# Allegro board SG2042_EVB_V2_0.brd (continued)
## Routing (per net, layer and track width the routed paths; a pad name or vN(x,y) marks a point on that pad's centre or on a via; arc(x,y) is an arc through that point) (continued)
N17204730: length 146.4
  TOP w0.102: U1.G30 v1(118.75,243.05) ; R163.1 v1(230.1,276.89)
  ART14 w0.102: v1(118.75,243.05) 118.37,243.43 118.37,250.27 162.41,294.31 185.5,294.31 186.06,293.75 189.99,293.75 v1(190.6,293.14)
  BOTTOM w0.102: v1(190.6,293.14) 190.89,293.14 193.53,290.5 217.42,290.5 228.04,279.87 228.04,278.94 v1(230.1,276.89)
N17204740: length 155.4
  TOP w0.102: U1.H30 v1(118.75,242.05) ; R172.1 v1(230.1,267.89)
  ART14 w0.102: v1(118.75,242.05) 119.13,242.43 119.13,250.32 162.92,294.11 185.41,294.11 185.97,293.55 189.66,293.55 190.6,292.6 v1(190.6,292.02)
  BOTTOM w0.102: v1(230.1,267.89) 227.43,270.56 227.43,279.62 217.16,289.89 193.27,289.89 191.14,292.02 v1(190.6,292.02)
N17204750: length 149.1
  TOP w0.102: 230.1,274.19 v1(230.1,274.8) ; U1.J30 v1(118.75,241.05)
  ART14 w0.102: v1(189.48,293.14) 189.28,293.34 185.89,293.34 185.33,293.9 163.01,293.9 119.37,250.27 119.37,241.67 v1(118.75,241.05)
  BOTTOM w0.102: v1(189.48,293.14) 189.94,292.68 191.06,292.68 193.44,290.3 217.33,290.3 227.84,279.79 227.84,277.06 v1(230.1,274.8)
N17204820: length 109.7
  TOP w0.102: U1.F22 v1(109.75,244.05) ; R174.1 v1(48.08,264.03)
  ART14 w0.102: v1(48.08,264.03) 47.29,264.82 47.29,272.54 48.51,273.76 48.51,274.4 46.56,276.36 46.56,285.31 48.63,287.38 72.31,287.38 109.37,250.32 109.37,244.43 v1(109.75,244.05)
N17204830: length 101.8
  TOP w0.102: U1.H23 v1(110.75,242.05) ; R184.1 v1(48.08,274.19)
  ART14 w0.102: v1(110.75,242.05) 110.13,242.67 110.13,250.27 72.82,287.58 48.54,287.58 46.35,285.39 46.35,275.92 v1(48.08,274.19)
N17204840: length 103
  TOP w0.102: U1.E21 v1(108.75,245.05) ; R185.1 v1(48.08,268.1)
  ART14 w0.102: v1(48.08,268.1) 48.61,268.62 48.61,270.17 47.7,271.08 47.7,272.37 48.92,273.59 48.92,274.57 46.96,276.53 46.96,285.14 48.79,286.97 71.72,286.97 108.37,250.32 108.37,245.43 v1(108.75,245.05)
N17204850: length 96.8
  TOP w0.102: R188.1 v1(48.69,271.55) ; U1.H19 v1(106.75,242.05)
  ART14 w0.102: v1(106.75,242.05) 107.13,242.43 107.13,246.26 106.63,246.76 106.63,250.77 71.24,286.16 50.78,286.16 49.17,284.55 49.17,276.71 49.73,276.15 49.73,272.59 v1(48.69,271.55)
N17204860: length 102.9
  TOP w0.102: R190.1 v1(48.69,265.46) ; U1.D20 v1(107.75,246.05)
  ART14 w0.102: v1(48.69,265.46) 49.02,265.78 49.02,270.34 48.11,271.25 48.11,272.2 49.33,273.42 49.33,274.74 47.37,276.7 47.37,284.97 48.96,286.56 71.45,286.56 107.37,250.65 107.37,246.76 107.75,246.38 v1(107.75,246.05)
N17204870: length 100.8
  TOP w0.102: U1.D21 v1(108.75,246.05) ; R191.1 v1(48.08,270.13)
  ART14 w0.102: v1(48.08,270.13) 47.5,270.71 47.5,272.46 48.72,273.68 48.72,274.49 46.76,276.44 46.76,285.22 48.71,287.17 72.22,287.17 109.13,250.27 109.13,246.43 v1(108.75,246.05)
N17216212: length 3
  TOP w0.081: U17.1 111.41,107.66 arc(111.49,107.67) 111.56,107.72 111.57,107.73 arc(111.63,107.77) 111.71,107.79 111.89,107.79 arc(112.04,107.76) 112.16,107.67 112.56,107.28 arc(112.79,107.12) 113.06,107.07 113.11,107.07 arc(113.26,107.04) 113.39,106.95 R266.1
N17216233: length 3
  TOP w0.081: R267.1 113.39,107.42 arc(113.26,107.34) 113.11,107.3 113.06,107.3 arc(112.88,107.34) 112.72,107.44 112.33,107.84 arc(112.13,107.98) 111.89,108.02 111.71,108.02 arc(111.63,108.04) 111.57,108.08 111.56,108.09 arc(111.49,108.14) 111.41,108.16 U17.2
N17216252: length 2.8
  TOP w0.081: U17.4 111.41,109.16 arc(111.49,109.17) 111.56,109.22 111.57,109.23 arc(111.64,109.27) 111.71,109.29 112.2,109.29 arc(112.27,109.28) 112.32,109.24 112.39,109.17 arc(112.52,109.08) 112.68,109.05 113.11,109.05 arc(113.26,109.02) 113.39,108.93 R268.1
N17216271: length 2.8
  TOP w0.081: R269.1 113.39,109.41 arc(113.26,109.32) 113.11,109.29 112.68,109.29 arc(112.61,109.3) 112.56,109.34 112.49,109.4 arc(112.36,109.49) 112.2,109.52 111.72,109.52 arc(111.64,109.54) 111.57,109.58 111.56,109.59 arc(111.49,109.64) 111.41,109.66 U17.5
N17216290: length 2.8
  TOP w0.081: R270.1 113.39,110.91 arc(113.26,111) 113.11,111.03 112.68,111.03 arc(112.61,111.02) 112.55,110.98 112.48,110.91 arc(112.35,110.82) 112.2,110.79 111.71,110.79 arc(111.63,110.77) 111.57,110.73 111.56,110.72 arc(111.49,110.67) 111.41,110.66 U17.7
N17216309: length 2.8
  TOP w0.081: U17.8 111.41,111.16 arc(111.49,111.14) 111.56,111.09 111.57,111.08 arc(111.63,111.04) 111.71,111.02 112.2,111.02 arc(112.26,111.04) 112.32,111.07 112.39,111.14 arc(112.52,111.24) 112.68,111.27 113.11,111.27 arc(113.26,111.3) 113.39,111.39 R271.1
N17216384: length 2.8
  TOP w0.081: R280.1 102.86,108.93 arc(102.99,109.02) 103.15,109.05 103.58,109.05 arc(103.73,109.08) 103.86,109.17 103.93,109.24 arc(103.99,109.28) 104.05,109.29 104.54,109.29 arc(104.62,109.27) 104.69,109.23 104.7,109.22 arc(104.77,109.17) 104.85,109.16 U17.27
N17216403: length 2.8
  TOP w0.081: R281.1 102.86,109.41 arc(102.99,109.32) 103.15,109.29 103.58,109.29 arc(103.64,109.3) 103.7,109.34 103.77,109.4 arc(103.9,109.49) 104.05,109.52 104.54,109.52 arc(104.62,109.54) 104.69,109.58 104.7,109.59 arc(104.77,109.64) 104.85,109.66 U17.26
N17216422: length 3
  TOP w0.081: U17.30 104.85,107.66 arc(104.77,107.67) 104.7,107.72 104.69,107.73 arc(104.62,107.77) 104.54,107.79 104.37,107.79 arc(104.22,107.76) 104.09,107.67 103.7,107.28 arc(103.47,107.12) 103.2,107.07 103.15,107.07 arc(102.99,107.04) 102.86,106.95 R282.1
N17216441: length 3
  TOP w0.081: R283.1 102.86,107.42 arc(102.99,107.34) 103.15,107.3 103.2,107.3 arc(103.38,107.34) 103.53,107.44 103.93,107.84 arc(104.13,107.98) 104.37,108.02 104.54,108.02 arc(104.62,108.04) 104.69,108.08 104.7,108.09 arc(104.77,108.14) 104.85,108.16 U17.29
N17216464: length 2.8
  TOP w0.081: R284.1 102.86,110.91 arc(102.99,111) 103.15,111.03 103.57,111.03 arc(103.64,111.02) 103.7,110.98 103.77,110.91 arc(103.9,110.82) 104.06,110.79 104.54,110.79 arc(104.62,110.77) 104.69,110.73 104.7,110.72 arc(104.77,110.67) 104.85,110.66 U17.24
N17216485: length 2.8
  TOP w0.081: R285.1 102.86,111.39 arc(102.99,111.3) 103.15,111.27 103.57,111.27 arc(103.73,111.24) 103.87,111.14 103.94,111.07 arc(103.99,111.04) 104.06,111.02 104.54,111.02 arc(104.62,111.04) 104.69,111.08 104.7,111.09 arc(104.77,111.14) 104.85,111.16 U17.23
N17217320: length 2
  TOP w0.102: Y2.1 103.17,98.46 R276.1
N17217322: length 1.7
  TOP w0.102: R277.2 108.41,104.52 Y2.4
N17217329: length 1.7
  TOP w0.102: Y2.5 R278.2
N17232456: length 1.1
  TOP w0.254: R353.1 226.76,256.4 U31.4
N17232458: length 0.9
  TOP w0.254: R353.2 C1233.2
N17232516: length 2.3
  TOP w0.254: U31.2 224.05,256.9 ; 223.8,255.88 224.33,255.35 C1233.1
N17232566: length 2.7
  TOP w0.254: R357.1 C1234.2 ; R357.1 R2189.2 ; R357.1 227.03,258.24 R2188.2
N17232598: length 1
  TOP w0.254: U31.6 226.99,257.4 R2188.1
N17235218: length 1.1
  TOP w0.254: R339.1 127.26,151.95 U28.4
N17235220: length 0.9
  TOP w0.254: R339.2 C1215.2
N17235288: length 2.3
  TOP w0.254: 126.75,154.91 126.21,154.38 C1215.1 ; U28.2 127.76,154.66
N17235374: length 2.7
  TOP w0.254: R2187.2 R344.1 ; R344.1 C1220.2 ; R344.1 129.11,151.69 R2186.2
N17248882: length 2.4
  TOP w0.102: R12572.2 163.19,41.94 J2030.42
N17248908: length 2.5
  TOP w0.102: J2030.40 162.83,41.44 R12573.2
N17250266: length 1.1
  TOP w0.102: R12574.1 LED502.C
N17250268: length 8.2
  TOP w0.102: J2030.10 160.4,33.94 160.29,33.83 160.29,28.86 R12574.2
N17284260: length 1.1
  TOP w0.254: U19.4 121.06,157.41 R306.1
N17284262: length 0.9
  TOP w0.254: R306.2 C1169.2
N17284332: length 2.3
  TOP w0.254: U19.2 121.56,160.12 ; 120.55,160.38 120.02,159.84 C1169.1
N17284386: length 2.7
  TOP w0.254: R311.1 C1170.2 ; R311.1 122.91,157.15 R310.2 ; R311.1 R313.2
N17284418: length 1
  TOP w0.254: R310.1 122.06,157.18 U19.6
N17455755: length 3
  TOP w0.102: R470.1 C3143.1 120.8,264.28 X4.1
N17455787: length 1.9
  TOP w0.102: X4.3 122.36,260.44 R471.1
N17456600: length 153.2
  TOP w0.102: v1(212.98,270.03) 212.37,269.42 207.54,269.42 200.36,276.61 200.36,279.91 198.12,282.14 193.4,282.14 188.25,287.3 161.94,287.3 129.25,254.61 U1.A41 ; R472.1 v1(207.39,233.32)
  ART14 w0.102: v1(207.39,233.32) 213.31,239.24 213.31,267.77 212.57,268.5 212.57,269.62 v1(212.98,270.03)
N17456613: length 161.3
  TOP w0.102: R473.1 v1(208.25,233.32) ; U1.J38 v1(126.75,241.05)
  ART14 w0.102: v1(208.25,233.32) 213.51,238.58 213.51,267.85 212.98,268.38 v1(212.98,269.01)
  BOTTOM w0.102: v1(212.98,269.01) 212.57,269.42 207.82,269.42 200.66,276.58 200.66,281.64 199.12,283.18 188.9,283.18 183.84,288.24 165.05,288.24 127.13,250.32 127.13,241.43 v1(126.75,241.05)
N17456626: length 156.1
  TOP w0.102: U1.F41 v1(129.75,244.05) ; R474.1 v1(209.12,233.32)
  ART14 w0.102: v1(213.54,268.45) 213.72,268.27 213.72,237.92 v1(209.12,233.32)
  BOTTOM w0.102: v1(213.54,268.45) 207.86,268.45 206.57,269.75 203.35,269.75 199.44,273.66 199.44,281.14 198.61,281.97 188.39,281.97 183.34,287.02 166.52,287.02 129.77,250.27 129.77,248.75 130.25,248.26 130.25,244.55 v1(129.75,244.05)
N17456639: length 163.6
  TOP w0.102: U1.H38 v1(126.75,242.05) ; R475.1 v1(209.98,233.32)
  ART14 w0.102: v1(213.54,269.01) 213.92,268.63 213.92,237.26 v1(209.98,233.32)
  BOTTOM w0.102: v1(213.54,269.01) 212.93,269.62 209.02,269.62 201.07,277.57 201.07,281.81 199.29,283.59 189.07,283.59 184.01,288.65 182.97,288.65 180.11,291.5 167.3,291.5 126.13,250.33 126.13,242.67 v1(126.75,242.05)
N17507585: length 4.9
  TOP w0.254: J1.146 183.75,281.89 arc(183.9,281.67) 183.95,281.41 C3323.1 R490.1 R489.1
N17508768: length 14.4
  TOP w0.254: J2.146 173.58,282.66 arc(174.5,282.04) 175.59,281.82 176.51,281.82 arc(177.04,281.72) 177.49,281.42 177.58,281.33 arc(177.97,281.07) 178.44,280.98 178.49,280.98 arc(178.95,280.88) 179.34,280.62 179.48,280.48 arc(179.88,280.22) 180.34,280.12 180.39,280.12 arc(180.85,280.03) 181.24,279.77 181.33,279.68 arc(181.78,279.38) 182.31,279.28 183.49,279.28 arc(183.65,279.24) 183.79,279.15 C3324.1 R492.1 R491.1
N17509318: length 9.7
  TOP w0.254: J3.146 55.09,283.53 arc(54.56,283.42) 54.11,283.12 54.02,283.03 arc(53.63,282.77) 53.16,282.68 53.11,282.68 arc(52.65,282.58) 52.26,282.32 52.17,282.23 arc(51.72,281.93) 51.19,281.82 50.81,281.82 arc(50.34,281.73) 49.95,281.47 C3325.1 R494.1 R493.1
N17509859: length 20.2
  TOP w0.254: J4.146 64.49,283.53 arc(63.96,283.42) 63.5,283.12 63.41,283.03 arc(63.02,282.77) 62.56,282.68 62.51,282.68 arc(62.05,282.77) 61.66,283.03 61.48,283.21 arc(61.13,283.44) 60.71,283.52 60.66,283.52 arc(60.25,283.44) 59.9,283.21 59.77,283.08 arc(59.32,282.78) 58.79,282.68 56.99,282.68 arc(56.46,282.57) 56.01,282.27 55.92,282.18 arc(55.52,281.92) 55.06,281.82 55.01,281.82 arc(54.55,281.73) 54.16,281.47 54.02,281.33 arc(53.63,281.07) 53.16,280.98 53.11,280.98 arc(52.65,280.88) 52.26,280.62 52.13,280.49 arc(51.72,280.22) 51.25,280.12 51.2,280.12 arc(50.73,280.03) 50.32,279.76 C3326.1 R496.1 R495.1
N17811578: length 1.1
  TOP w0.102: D520.A 46.9,301.49 R588.1
N17870441: length 1.7
  TOP w0.102: U56.9 42.32,229.47 R655.2
N17870453: length 1.7
  TOP w0.102: R1305.1 43.32,229.37 U56.7
N17870502: length 1.8
  TOP w0.254: U56.6 43.82,229.24 C1533.1
N17870524: length 4.6
  TOP w0.254: U56.1 41.07,224.94 40.03,223.9 C1534.2 R659.1 R657.2
N17876519: length 2.5
  TOP w0.254: 113.78,151.18 113.84,151.12 U60.19
  TOP w0.381: 113.78,151.18 113.44,151.18 113.33,151.28 C1557.1
N17876523: length 0.9
  TOP w0.254: 112.24,152.1 C1557.2 111.81,152.53
N17876627: length 24.5
  TOP w0.254: v1(109.47,147.9) C1562.2 110.11,147.88 R2183.2
  ART14 w0.203: v1(109.47,147.9) 110.82,147.9 111.61,147.12 113,147.12 113.77,147.88 113.77,151.16 111.51,153.42 111.51,160.76 113,162.26 113,163.02 113.31,163.32 v1(114.25,163.32)
  vias: v1(114.25,162.79) v1(114.25,162.26) v1(114.25,161.72) v1(114.78,163.32) v1(114.78,162.79) v1(114.78,162.26) v1(114.78,161.72) v1(115.32,163.32) v1(115.32,162.79) v1(115.32,162.26) v1(115.32,161.72) v1(115.85,163.32) v1(115.85,162.79) v1(115.85,162.26) v1(115.85,161.72) v1(116.38,163.32) v1(116.38,162.79) v1(116.38,162.26) v1(116.38,161.72)
N17876753: length 4.3
  TOP w0.254: R675.1 110.92,147.88 R2183.1 R677.2 112.32,147.02 112.62,147.32 112.62,147.89 112.88,148.15 U60.6
N17876759: length 0.9
  TOP w0.254: R675.2 C1562.1
N17876871: length 3
  TOP w0.102: R676.2 C3159.1 118.15,151.12 U60.16
N17876927: length 3
  TOP w0.254: U60.3 112.58,149.65 111.84,150.39 111.18,150.39 R682.2
N17876931: length 2.9
  TOP w0.254: U60.2 112.59,150.15 111.99,150.75 111.18,150.75 R680.2
N17876935: length 1.9
  TOP w0.254: U60.4 112.45,149.15 112.01,148.72 C1569.1
N18066499: length 1.8
  TOP w0.099: U805.5 12.85,160.49 12.71,160.62 12.26,160.62 R12716.2
N18066506: length 2.5
  TOP w0.102: R1141.2 C1672.1 15,156.93 U805.9
N18066514: length 1.8
  TOP w0.099: R12717.2 12.25,160.85 12.71,160.85 12.85,160.99 U805.4
N18071451: length 1.1
  TOP w0.254: U808.4 212.48,213.62 R1142.1
N18071453: length 0.9
  TOP w0.254: R1142.2 C1673.2
N18071511: length 2.3
  TOP w0.254: U808.2 212.98,216.33 ; 211.96,216.59 211.43,216.05 C1673.1
N18071533: length 2.2
  TOP w0.102: R1143.1 212.98,213.26 U808.5
N18071559: length 2.7
  TOP w0.254: R1146.2 R1145.1 ; R1145.1 C1676.2 ; R1145.1 214.33,213.36 R1144.2
N18071593: length 1
  TOP w0.254: U808.6 213.48,213.39 R1144.1
N18430898: length 121.5
  TOP w0.102: U1.C29 v1(117.75,247.05) ; R1246.2 v1(208.76,278.03)
  ART03 w0.102: v1(117.75,247.05) 117.34,247.46 117.34,250.1 123.1,255.85 128.75,255.85 162.71,289.81 166.46,289.81 169.03,292.38 180.82,292.38 183.74,289.46 189.65,289.46 193.64,285.47 204.93,285.47 207.04,283.37 207.04,279.76 v1(208.76,278.03)
N18430900: length 119.4
  TOP w0.102: R1247.2 v1(208.76,277.16) ; U1.A29 v1(117.75,249.05)
  ART03 w0.102: v1(208.76,277.16) 206.78,279.15 206.78,283.26 204.83,285.22 193.53,285.22 189.54,289.2 183.64,289.2 180.72,292.13 169.14,292.13 166.57,289.56 162.82,289.56 128.86,255.6 123.21,255.6 117.75,250.14 v1(117.75,249.05)
N18430902: length 120.7
  TOP w0.102: R1248.2 v1(208.76,276.3) ; U1.B29 v1(117.75,248.05)
  ART03 w0.102: v1(208.76,276.3) 206.53,278.54 206.53,283.16 204.72,284.96 193.43,284.96 189.44,288.95 183.53,288.95 180.61,291.87 169.24,291.87 166.68,289.31 162.93,289.31 128.97,255.35 123.31,255.35 118.13,250.17 118.13,248.43 v1(117.75,248.05)
N18430904: length 118.9
  TOP w0.102: R1249.2 v1(208.76,282.35) ; U1.A28 v1(115.75,249.05)
  ART03 w0.102: v1(115.75,249.05) 115.75,250.3 122.57,257.12 128.23,257.12 162.19,291.08 165.94,291.08 168.5,293.65 181.35,293.65 184.27,290.73 190.18,290.73 194.16,286.74 205.46,286.74 208.31,283.9 208.31,282.8 v1(208.76,282.35)
N18430906: length 122.5
  TOP w0.102: R1250.2 v1(208.76,278.89) ; U1.D29 v1(117.75,246.05)
  ART03 w0.102: v1(208.76,278.89) 207.29,280.37 207.29,283.48 205.04,285.72 193.74,285.72 189.75,289.71 183.85,289.71 180.93,292.63 168.92,292.63 166.36,290.07 162.61,290.07 128.65,256.11 123,256.11 117.06,250.18 117.06,246.74 v1(117.75,246.05)
N18430908: length 121.3
  TOP w0.102: U1.C28 v1(115.75,247.05) ; R1251.2 v1(208.76,280.62)
  ART03 w0.102: v1(115.75,247.05) 116.44,247.74 116.44,250.27 122.78,256.62 128.44,256.62 162.4,290.58 166.15,290.58 168.71,293.14 181.14,293.14 184.06,290.22 189.97,290.22 193.95,286.23 205.25,286.23 207.8,283.69 207.8,281.58 v1(208.76,280.62)
N18430910: length 120.1
  TOP w0.102: U1.B28 v1(115.75,248.05) ; R1252.2 v1(208.76,281.48)
  ART03 w0.102: v1(208.76,281.48) 208.05,282.19 208.05,283.79 205.36,286.49 194.06,286.49 190.07,290.47 184.17,290.47 181.25,293.4 168.61,293.4 166.04,290.83 162.29,290.83 128.33,256.87 122.68,256.87 116.16,250.35 116.16,248.46 v1(115.75,248.05)
N18430912: length 122
  TOP w0.102: U1.D27 v1(114.75,246.05) ; R1253.2 v1(208.76,283.21)
  ART03 w0.102: v1(208.76,283.21) 208.76,283.8 205.57,286.99 194.27,286.99 190.28,290.98 184.38,290.98 181.46,293.9 168.4,293.9 165.83,291.34 162.08,291.34 128.12,257.38 122.47,257.38 115.25,250.16 115.25,246.55 v1(114.75,246.05)
N18431005: length 122.6
  TOP w0.102: R1254.2 v1(208.76,279.76) ; U1.D28 v1(115.75,246.05)
  ART03 w0.102: v1(208.76,279.76) 207.54,280.97 207.54,283.58 205.15,285.98 193.85,285.98 189.86,289.97 183.96,289.97 181.03,292.89 168.82,292.89 166.25,290.32 162.5,290.32 128.54,256.36 122.89,256.36 116.72,250.19 116.72,247.02 v1(115.75,246.05)
N18436137: length 97.9
  TOP w0.102: R1267.2 v1(34.04,288.77) ; U1.D22 v1(109.75,246.05)
  ART10 w0.102: v1(109.75,246.05) 109.13,246.67 109.13,251.13 71.95,288.32 45.56,288.32 45.05,288.82 41.51,288.82 40.82,288.14 34.67,288.14 v1(34.04,288.77)
N18436140: length 94.3
  TOP w0.102: U1.C20 v1(107.75,247.05) ; R1268.2 v1(34.04,286.18)
  ART10 w0.102: v1(34.04,286.18) 40.67,286.18 42.04,287.55 44.53,287.55 45.03,287.05 71.12,287.05 107.11,251.05 107.11,247.69 v1(107.75,247.05)
N18503512: length 1.7
  TOP w0.102: U47.7 192.7,229.37 R1306.1
N18530580: length 1.7
  TOP w0.102: U814.20 42.88,233.22 R1311.1
N18532801: length 1.8
  TOP w0.102: U814.17 40.93,233.44 R1334.1
N18532938: length 1.9
  TOP w0.102: R1332.1 41.58,233.66 U814.18
N18533163: length 1.7
  TOP w0.102: U814.16 40.28,233.23 R1312.1
N18533409: length 1.7
  TOP w0.102: U814.15 39.63,233.23 R1335.1
N18537731: length 1.1
  TOP w0.254: R1348.1 226.76,263.02 U816.4
N18537733: length 0.9
  TOP w0.254: R1348.2 C3160.2
N18537797: length 2.3
  TOP w0.254: C3160.1 224.33,261.98 223.8,262.51 ; U816.2 224.05,263.52
N18537845: length 2.7
  TOP w0.254: R1351.1 227.03,264.87 R1350.2 ; R1351.1 C3163.2 ; R1351.1 R1352.2
N18537879: length 1
  TOP w0.254: R1350.1 226.99,264.03 U816.6
N18591923: length 6.5
  TOP w0.102: R2081.2 185.28,161.79 181.84,161.79 181.45,161.4 181.45,161.4 180.51,160.46 J1.285
N18591926: length 10.5
  TOP w0.102: R2082.2 184.82,160.46 181.64,160.46 180.79,159.61 179.91,159.61 179.06,160.46 176.9,160.46 J1.141
N18592474: length 16.6
  TOP w0.102: R2083.2 185.52,162.89 183.28,162.89 182.68,163.49 181.84,163.49 180.99,162.64 179.92,162.64 179.07,161.79 177.75,161.79 177.09,161.12 175.14,161.12 174.48,160.46 171.3,160.46 J2.285
N18592479: length 20.5
  TOP w0.102: J2.141 170.18,160.28 170.84,159.61 171.39,159.61 171.86,160.09 175.97,160.09 176.44,159.61 176.99,159.61 177.46,160.09 178.91,160.09 179.76,159.24 180.99,159.24 181.84,160.09 185.31,160.09 R2084.2
N18592893: length 8.7
  TOP w0.102: R2085.2 47.75,162.64 51.66,162.64 52.51,161.79 53.68,161.79 J3.285
N18592898: length 3.9
  TOP w0.102: R2086.2 47.83,160.28 J3.141
N18592955: length 18.7
  TOP w0.102: J4.285 64.4,160.46 61.82,160.46 61.35,160.94 59.02,160.94 58.55,160.46 56.22,160.46 55.53,161.16 54.84,161.16 53.84,162.16 52.71,162.16 52.33,162.55 52.33,162.55 51.87,163.01 47.88,163.01 R2087.2
N18592960: length 14.5
  TOP w0.102: R2088.2 47.98,160.07 50.66,160.07 51.11,159.61 51.66,159.61 52.51,160.46 54.06,160.46 54.91,159.61 55.46,159.61 55.93,160.09 60.6,160.09 J4.141
N18761187: length 137.2
  TOP w0.089: U1.B40 127.85,247.95 127.85,248.75 127.92,248.82
  TOP w0.102: v1(202.44,279.45) 198.73,283.16 193.83,283.16 188.67,288.32 161.52,288.32 127.95,254.74 127.95,250.25 127.92,250.22 127.92,248.82 ; R1220.1 v1(202.29,242.93)
  ART14 w0.102: v1(202.29,242.93) 201.63,243.59 201.63,249.05 201.88,249.3 201.88,278.89 v1(202.44,279.45)
N18761202: length 131.1
  TOP w0.102: U1.A40 128.25,254.62 161.64,288.01 188.54,288.01 193.7,282.85 198.48,282.85 v1(202.44,278.89) ; R1221.1 v1(202.29,246.66)
  ART14 w0.102: v1(202.29,246.66) 201.88,247.07 201.88,248.94 202.13,249.2 202.13,278.59 v1(202.44,278.89)
N18761243: length 126.1
  TOP w0.102: U1.D36 v1(124.75,246.05) ; R1224.1 v1(201.35,255.91)
  ART14 w0.102: v1(193.29,256.36) 192.07,257.58 192.07,273.26 190.4,274.93 190.4,285.32 187.99,287.73 162.25,287.73 125.16,250.64 125.16,246.46 v1(124.75,246.05)
  BOTTOM w0.102: v1(193.29,256.36) 193.45,256.21 201.04,256.21 v1(201.35,255.91)
N18761256: length 128.3
  TOP w0.102: R1225.1 v1(201.35,258.44) ; U1.G36 v1(124.75,243.05)
  ART14 w0.102: v1(124.75,243.05) 124.13,243.67 124.13,250.37 162,288.24 188.2,288.24 190.91,285.53 190.91,275.14 192.89,273.16 192.89,259.31 v1(193.29,258.9)
  BOTTOM w0.102: v1(193.29,258.9) 193.75,258.44 v1(201.35,258.44)
N18761269: length 126.4
  TOP w0.102: R1226.1 v1(201.35,260.99) ; U1.G39 v1(127.75,243.05)
  ART14 w0.102: v1(185.17,260.68) 184.76,261.09 184.76,272.66 187.66,275.55 187.66,284.06 185.51,286.21 162.89,286.21 127,250.32 127,245.44 127.13,245.31 127.13,243.67 v1(127.75,243.05)
  BOTTOM w0.102: v1(185.17,260.68) 198.63,260.68 198.93,260.99 v1(201.35,260.99)
N18761282: length 129.4
  TOP w0.102: R1227.1 v1(201.35,263.52) ; U1.H35 v1(123.75,242.05)
  ART14 w0.102: v1(193.29,264.08) 193.95,264.74 193.95,283.56 188.51,289 183.34,289 180.52,291.82 169.11,291.82 166.29,289 161.68,289 123.13,250.45 123.13,242.67 v1(123.75,242.05)
  BOTTOM w0.102: v1(201.35,263.52) 201.04,263.83 193.55,263.83 v1(193.29,264.08)
N18761295: length 142.5
  TOP w0.102: U1.E39 v1(127.75,245.05) ; R1228.1 v1(202.29,244.14)
  ART14 w0.102: v1(127.75,245.05) 127.3,245.5 127.3,250.27 162.99,285.95 185.4,285.95 187.4,283.96 187.4,275.66 184.51,272.76 184.51,256.84 185.57,255.78 185.57,243.61 v1(185.17,243.21)
  BOTTOM w0.102: v1(202.29,244.14) 199.82,244.14 198.88,243.21 v1(185.17,243.21)
N18761308: length 139.7
  TOP w0.089: U1.D38 126.85,246.15 126.85,248.75 126.92,248.82
  TOP w0.102: 126.92,248.82 126.92,255.01 161.14,289.23 166.24,289.23 169.12,292.11 180.32,292.11 183.21,289.23 189.05,289.23 194.2,284.07 199.44,284.07 v1(203.25,280.26) ; R1229.1 v1(202.29,247.88)
  ART14 w0.102: v1(202.29,247.88) 202.39,247.98 202.39,278.08 202.84,278.54 202.84,279.86 v1(203.25,280.26)
N18761323: length 125
  TOP w0.102: U1.E37 v1(125.75,245.05) ; R1230.1 v1(209.14,263.7)
  ART14 w0.102: v1(125.75,245.05) 125.75,245.59 126.09,245.92 126.09,250.48 162.57,286.97 185.83,286.97 189.03,283.77 189.03,275.23 191.31,272.94 191.31,265.46 v1(191.16,265.3)
  BOTTOM w0.102: v1(191.16,265.3) 191.92,266.06 200.71,266.06 202.62,264.16 208.69,264.16 v1(209.14,263.7)
N18761336: length 137.2
  TOP w0.102: U1.E40 v1(128.75,245.05) ; R1231.1 v1(207.26,250.49)
  ART14 w0.102: v1(128.75,245.05) 128.75,250.26 163.93,285.45 185.19,285.45 186.89,283.75 186.89,275.87 184,272.97 184,251.99 v1(185.17,250.82)
  BOTTOM w0.102: v1(185.17,250.82) 200.51,250.82 201.29,250.04 206.81,250.04 v1(207.26,250.49)
N18761349: length 138.3
  TOP w0.089: 126.58,248.81 126.65,248.75 126.65,246.95 U1.C38
  TOP w0.102: 126.58,248.81 126.58,255.11 161.01,289.53 166.11,289.53 169,292.42 180.45,292.42 183.33,289.53 189.18,289.53 194.33,284.38 199.72,284.38 204.06,280.04 v1(204.06,278.33) ; R1232.1 v1(205.99,250.49)
  ART14 w0.102: v1(205.99,250.49) 205.56,250.93 205.56,260.17 206.17,260.78 206.17,262.15 205.31,263.02 205.31,277.09 v1(204.06,278.33)
N18761362: length 130.9
  TOP w0.102: U1.F37 v1(125.75,244.05) ; R1233.1 v1(207.87,263.7)
  ART14 w0.102: v1(185.17,263.52) 185.57,263.93 185.57,272.75 188.16,275.34 188.16,284.27 185.72,286.72 162.68,286.72 126.39,250.43 126.39,245.77 126.13,245.51 126.13,244.43 v1(125.75,244.05)
  BOTTOM w0.102: v1(185.17,263.52) 200.61,263.52 201.07,263.07 207.24,263.07 v1(207.87,263.7)
N18761375: length 137.9
  TOP w0.102: U1.H36 v1(124.75,242.05) ; R1234.1 v1(204.72,250.49)
  ART14 w0.102: v1(191.16,251.28) 191.57,251.69 191.57,273.05 189.28,275.33 189.28,283.87 185.93,287.22 162.46,287.22 125.77,250.53 125.77,246.09 125.37,245.69 125.37,242.67 v1(124.75,242.05)
  BOTTOM w0.102: v1(204.72,250.49) 201.4,250.49 200.76,251.13 191.31,251.13 v1(191.16,251.28)
N18761388: length 121.5
  TOP w0.089: U1.B39 127.65,247.95 127.65,248.75 127.58,248.81
  TOP w0.102: 127.58,248.81 127.58,254.81 161.39,288.62 166.49,288.62 169.38,291.5 180.07,291.5 182.96,288.62 188.8,288.62 193.95,283.46 199.01,283.46 203.25,279.22 v1(203.25,278.89) ; R1235.1 v1(206.6,263.7)
  ART14 w0.102: v1(203.25,278.89) 204.17,278.89 205.56,277.5 205.56,265.62 206.6,264.58 v1(206.6,263.7)
N18761531: length 122.4
  TOP w0.102: R1222.1 v1(201.35,266.06) ; U1.H37 v1(125.75,242.05)
  ART14 w0.102: v1(185.17,266.37) 185.17,272.7 187.91,275.45 187.91,284.17 185.62,286.46 162.78,286.46 126.7,250.38 126.7,245.59 126.37,245.27 126.37,242.67 v1(125.75,242.05)
  BOTTOM w0.102: v1(185.17,266.37) 201.04,266.37 v1(201.35,266.06)
N18761567: length 127.1
  TOP w0.102: U1.D39 v1(127.75,246.05) ; R1223.1 v1(201.35,253.37)
  ART14 w0.102: v1(127.75,246.05) 128.13,246.43 128.13,250.27 163.56,285.7 185.3,285.7 187.15,283.85 187.15,275.76 184.25,272.87 184.25,256.51 v1(185.17,255.6)
  BOTTOM w0.102: v1(201.35,253.37) 199.11,255.6 v1(185.17,255.6)
N18869965: length 1
  TOP w0.254: U28.6 128.26,151.72 R2186.1
N19196155: length 4.1
  TOP w0.102: R12536.2 57.56,67.08 57.28,66.8 55.83,66.8 55.6,66.57 J2034.A11
N19197742: length 4.1
  TOP w0.102: R12531.2 57.56,107.72 57.28,107.44 55.83,107.44 55.6,107.21 J2033.A11
N19260792: length 2.4
  TOP w0.152: J2033.B14 60.79,97.88 C5766.1
N19260795: length 2.4
  TOP w0.152: C5756.1 61.4,97.88 J2033.B15
N19260798: length 2.4
  TOP w0.152: J2033.B19 65.8,97.88 C5759.1
N19260801: length 2.4
  TOP w0.152: J2033.B20 66.4,97.88 C5772.1
N19260804: length 2.4
  TOP w0.152: C5778.1 69.8,97.88 J2033.B23
N19260807: length 2.4
  TOP w0.152: J2033.B24 70.4,97.88 C5779.1
N19260810: length 2.4
  TOP w0.152: C5782.1 73.8,97.88 J2033.B27
N19260813: length 2.4
  TOP w0.152: C5783.1 74.4,97.88 J2033.B28
N19298327: length 2.4
  TOP w0.152: C5767.1 60.79,57.24 J2034.B14
N19298330: length 2.4
  TOP w0.152: C5768.1 61.4,57.24 J2034.B15
N19298333: length 2.4
  TOP w0.152: C5771.1 65.8,57.24 J2034.B19
N19298336: length 2.4
  TOP w0.152: J2034.B20 66.4,57.24 C5773.1
N19372235: length 1.4
  TOP w0.102: U3236.6 R12499.1
N19372523: length 1.4
  TOP w0.102: U3236.1 R12495.2
N19372526: length 1.4
  TOP w0.102: U3236.2 R12497.2
N19373609: length 1.7
  TOP w0.102: R12522.1 131.29,60.07 R12521.2 R12510.1
N19374046: length 1.4
  TOP w0.102: U3236.5 R12500.1
N19374159: length 1.6
  TOP w0.102: R12496.2 134.19,94.64 133.62,94.07 Y2001.1
N19374182: length 3.6
  TOP w0.102: Y2001.3 131.92,96.07 132.92,95.07 134.44,95.07 R12498.2
N19598087: length 1.7
  TOP w0.102: R2207.1 209.88,243.78 U807.15
N19598088: length 1.8
  TOP w0.102: R2205.1 208.57,243.57 U807.17
N19598089: length 1.7
  TOP w0.102: U807.20 206.62,243.79 R2203.1
N19598092: length 1.7
  TOP w0.102: U807.16 209.22,243.78 R2206.1
N19598093: length 1.9
  TOP w0.102: R2204.1 207.92,243.36 U807.18
N19598211: length 1.7
  TOP w0.102: U806.20 191.51,233.9 R2211.1
N19598221: length 1.9
  TOP w0.102: U806.18 191.95,235.2 R2212.1
N19598231: length 1.8
  TOP w0.102: U806.17 191.73,235.85 R2213.1
N19598241: length 1.7
  TOP w0.102: U806.16 191.52,236.5 R2214.1
N19598251: length 1.7
  TOP w0.102: R2215.1 191.52,237.15 U806.15
N19598261: length 1.8
  TOP w0.102: R2216.1 191.73,237.8 U806.14
N19598271: length 1.9
  TOP w0.102: R2217.1 191.95,238.45 U806.13
N19598281: length 2
  TOP w0.102: R2218.1 192.16,239.1 U806.12
N19598691: length 1.7
  TOP w0.102: U14.20 223.68,105.02 R2219.1
N19598701: length 1.9
  TOP w0.102: U14.18 222.38,105.46 R2220.1
N19598711: length 1.8
  TOP w0.102: U14.17 221.73,105.25 R2221.1
N19598721: length 1.7
  TOP w0.102: R2222.1 221.08,105.03 U14.16
N19598731: length 1.7
  TOP w0.102: U14.15 220.43,105.03 R2223.1
N19598741: length 1.8
  TOP w0.102: U14.14 219.78,105.25 R2224.1
N19598751: length 1.9
  TOP w0.102: U14.13 219.13,105.46 R2225.1
N19598761: length 2
  TOP w0.102: R2226.1 218.48,105.67 U14.12
N19598883: length 1.7
  TOP w0.102: R2227.1 223.68,123.52 U12.20
N19598893: length 1.9
  TOP w0.102: R2228.1 222.38,123.95 U12.18
N19598903: length 1.8
  TOP w0.102: R2229.1 221.73,123.74 U12.17
N19598913: length 1.7
  TOP w0.102: R2230.1 221.08,123.53 U12.16
N19598943: length 1.9
  TOP w0.102: U12.13 219.13,123.95 R2233.1
N19598953: length 2
  TOP w0.102: R2234.1 218.48,124.17 U12.12
N19656677: length 5.5
  TOP w0.102: U2009.72 132.45,40.14 132.82,40.5 132.82,42.32 R2106.1
N19658008: length 3.5
  TOP w0.102: U2009.1 114.57,41.64 R2060.2
N19658025: length 3.3
  TOP w0.102: U2009.2 114.21,41.14 R2058.2
N19658042: length 3.2
  TOP w0.102: R2059.2 113.85,40.64 U2009.3
N19658046: length 3
  TOP w0.102: U2009.4 113.48,40.14 R2056.2
N19658132: length 3.3
  TOP w0.102: R2068.1 133.18,36.64 U2009.65
N19658148: length 3.2
  TOP w0.102: R2069.1 133.55,36.14 U2009.64
N19658164: length 3
  TOP w0.102: R2070.1 133.91,35.64 U2009.63
N19658180: length 2.9
  TOP w0.102: U2009.62 134.27,35.14 R2071.1
N19658288: length 3
  TOP w0.102: U2009.61 134.05,34.64 R2073.1
N19659174: length 3.1
  TOP w0.102: U2009.60 133.68,34.14 R2074.1
N19659190: length 3.3
  TOP w0.102: U2009.59 133.32,33.64 R2075.1
N19659206: length 3.4
  TOP w0.102: U2009.58 132.55,33.14 133.93,31.75 R2054.2
N19659496: length 3
  TOP w0.102: R2250.1 129.72,45.89 U2009.76
N19659550: length 2.9
  TOP w0.102: R2104.2 113.12,39.64 U2009.5
N19659625: length 5.1
  TOP w0.102: R2076.1 133.07,41.71 133.07,40.25 132.45,39.64 U2009.71
N19659641: length 4.7
  TOP w0.102: U2009.70 132.45,39.14 133.32,40.01 133.32,41.1 R2077.1
N19659658: length 4.4
  TOP w0.102: U2009.69 132.45,38.64 133.58,39.76 133.58,40.49 R2057.2
N19659674: length 4
  TOP w0.102: R2072.1 133.83,39.88 133.83,39.51 132.45,38.14 U2009.68
N19659891: length 3.3
  TOP w0.102: U2009.52 132.91,30.14 133.88,29.16 R2078.1
N19659907: length 3.4
  TOP w0.102: R2079.1 133.91,28.3 132.57,29.64 U2009.51
N19659975: length 3.2
  TOP w0.102: U2009.77 129.22,45.53 R2251.1
N19660152: length 3.2
  TOP w0.102: U2009.87 124.22,45.35 R2252.1
N19660154: length 3.1
  TOP w0.102: R2253.1 124.72,45.71 U2009.86
N19738408: length 94.9
  TOP w0.102: R2299.2 v1(34.04,287.05) ; U1.B21 v1(108.75,248.05)
  ART10 w0.102: v1(34.04,287.05) 34.16,286.92 36.98,286.92 37.69,287.63 41.03,287.63 41.72,288.32 44.84,288.32 45.35,287.81 71.58,287.81 108.25,251.13 108.25,248.55 v1(108.75,248.05)
N19746790: length 2
  TOP w0.102: U11.2 133.8,23.6 C586.2 134.82,23.44 R173.2
N19746810: length 2
  TOP w0.102: R189.2 134.82,24.26 C586.1 133.8,24.1 U11.3
N19747341: length 3.5
  TOP w0.102: U2009.48 128.72,26.5 R2304.2
N19747342: length 3.3
  TOP w0.102: R2303.2 128.22,26.13 U2009.47
N19756934: length 3.4
  TOP w0.102: R2331.2 123.72,26.31 U2009.38
N19756936: length 3.3
  TOP w0.102: R2332.2 124.22,25.95 U2009.39
N19756974: length 3.1
  TOP w0.102: R2333.2 124.72,25.59 U2009.40
N19756976: length 3
  TOP w0.102: U2009.41 125.22,25.22 R2334.2
N19757014: length 2.9
  TOP w0.102: R2335.2 125.72,25.18 U2009.42
N19757016: length 3.1
  TOP w0.102: U2009.43 126.22,25.54 R2336.2
N19757054: length 3.2
  TOP w0.102: R2337.2 126.72,25.91 U2009.44
N19757056: length 3.4
  TOP w0.102: U2009.45 127.22,26.27 R2338.2
N19909495: length 3.5
  TOP w0.381: U3273.T11 v1(189.08,104.43) ; U3273.T13 v1(186.69,104.43) ; U3273.T15 v1(185.09,104.43) ; U3273.V15 v1(185.09,106.03)
  BOTTOM w0.254: 186.26,105.16 R12971.1 ; R12971.1 186.69,104.72 ; R12971.1 187.12,105.16
N19909979: length 5.8
  TOP w0.381: U3273.AC9 v1(189.88,110.03) U3273.AC10 ; U3273.AA9 v1(190.68,108.43) ; U3273.AA10 v1(189.88,108.43) ; U3273.AA13 v1(186.69,108.43) ; U3273.AC14 v1(185.89,110.03) ; U3273.AA14 v1(185.89,108.43) ; U3273.AC13 v1(186.69,110.03)
  BOTTOM w0.254: 187.12,107.77 R12973.1 ; R12973.1 187.99,107.77 ; R12973.1 187.55,108.2
N19910203: length 15.1
  TOP w0.102: SM768_GPIO1.1 v1(206.5,106.43) ; U3273.V6 v1(193.08,106.03)
  BOTTOM w0.102: v1(193.08,106.03) 193.48,106.43 206.5,106.43 v1(206.5,106.43)
N19910224: length 16.8
  TOP w0.102: SM768_TXD1.1 v1(206.76,91.52) ; U3273.E6 v1(193.08,94.85)
  BOTTOM w0.102: v1(193.08,94.85) 193.41,95.17 203.1,95.17 v1(206.76,91.52)
N19910236: length 17
  TOP w0.102: U3273.F7 v1(192.28,95.64) ; SM768_RXD1.1 v1(206.76,93.04)
  BOTTOM w0.102: v1(192.28,95.64) 204.15,95.64 v1(206.76,93.04)
N19911399: length 5.1
  TOP w0.254: FB2017.2 68.95,152.35 v1(70.19,153.59) U2010.19 ; v1(72.29,159.28) R2254.2 R2255.2
N19927520: length 93.9
  TOP w0.102: U1.A21 v1(108.75,249.05) ; R1214.2 v1(34.04,287.91)
  ART10 w0.102: v1(34.04,287.91) 34.06,287.88 40.93,287.88 41.62,288.57 44.95,288.57 45.46,288.06 71.82,288.06 108.75,251.13 v1(108.75,249.05)
N19927533: length 100.9
  TOP w0.102: U1.B23 v1(110.75,248.05) ; R1215.2 v1(34.04,289.64)
  ART10 w0.102: v1(110.75,248.05) 111.13,248.43 111.13,251.29 68.95,293.47 41.76,293.47 37.92,289.64 v1(34.04,289.64)
N19927546: length 104.5
  TOP w0.102: R1216.2 v1(34.04,291.16) ; U1.D24 v1(111.75,246.05)
  ART10 w0.102: v1(111.75,246.05) 112.37,246.67 112.37,249.43 112.39,249.44 112.39,251.47 69.37,294.49 37.36,294.49 v1(34.04,291.16)
N19927559: length 97.5
  TOP w0.102: R1217.2 v1(36.68,291.16) ; U1.A24 v1(111.75,249.05)
  ART10 w0.102: v1(111.75,249.05) 111.75,251.39 69.16,293.98 39.5,293.98 v1(36.68,291.16)
N19927572: length 100.8
  TOP w0.102: R1218.2 v1(36.68,290.3) ; U1.B24 v1(111.75,248.05)
  ART10 w0.102: v1(36.68,290.3) 36.27,290.7 36.27,291.34 39.17,294.23 69.26,294.23 112.13,251.36 112.13,248.43 v1(111.75,248.05)
N19927577: length 97.2
  TOP w0.102: R1219.2 v1(36.68,288.77) ; U1.B22 v1(109.75,248.05)
  ART10 w0.102: v1(109.75,248.05) 110.13,248.43 110.13,251.21 68.63,292.71 42.69,292.71 38.38,288.39 37.06,288.39 v1(36.68,288.77)
N20151386: length 2.4
  TOP w0.102: X8.1 199.15,88.86 198.55,88.27 C6168.1 R12952.2
N20196869: length 6.9
  TOP w0.254: 54.25,128.12 C1743.1 ; C1743.1 54.69,127.69 ; C1743.1 54.69,128.55
  TOP w0.381: J1104.B8 52.6,116.34 C1744.1 v1(52.6,115.72)
  TOP w0.686: J1104.A10 54.6,127.18 ; J1104.A9 53.6,127.18
  vias: v1(52.96,128.12) v1(53.52,128.12) v1(54.08,128.12)
N20206252: length 7.4
  TOP w0.254: 54.69,87.05 C3294.1 ; C3294.1 54.25,87.48 ; C3294.1 54.69,87.91
  TOP w0.381: J2046.B8 52.6,75.19 C3295.1 v1(52.6,74.57)
  TOP w0.686: J2046.A10 54.6,86.54 ; J2046.A9 53.6,86.54
  vias: v1(52.96,87.48) v1(53.52,87.48) v1(54.08,87.48)
N20225121: length 0.9
  TOP w0.102: R12968.2 R12969.1
N20225124: length 0.9
  TOP w0.102: R12969.2 R12970.1
N20251326: length 3.3
  TOP w0.081: U17.9 111.41,111.66 arc(111.49,111.67) 111.56,111.72 111.57,111.73 arc(111.63,111.77) 111.71,111.79 111.8,111.79 arc(112.05,111.85) 112.24,112.02 112.86,112.92 arc(112.94,112.99) 113.04,113.01 113.11,113.01 arc(113.26,112.98) 113.39,112.9 R274.1
N20251336: length 3.3
  TOP w0.081: R275.1 113.39,113.37 arc(113.26,113.28) 113.11,113.25 113.04,113.25 arc(112.83,113.2) 112.67,113.06 112.05,112.15 arc(111.94,112.06) 111.8,112.02 111.71,112.02 arc(111.63,112.04) 111.57,112.08 111.56,112.09 arc(111.49,112.14) 111.41,112.16 U17.10
N20276926: length 15.1
  TOP w0.102: TP41.1 v1(168.35,93.65) ; U3273.C19 v1(181.89,93.25)
  BOTTOM w0.102: v1(168.35,93.65) 168.36,93.64 181.5,93.64 v1(181.89,93.25)
N20423655: length 1.2
  TOP w0.102: R2441.2 108.77,36.64 Q403.1
N20449661: length 1.3
  TOP w0.102: R2443.2 135.29,49.44 Q2009.1
N20451057: length 2.9
  TOP w0.102: R2445.1 127.72,46.17 U2009.80
N20451254: length 1.2
  TOP w0.102: Q2008.1 109.71,42.43 R2446.2
N20453905: length 2.4
  TOP w0.102: Q2010.3 127.08,52.03 LED500.C
N20453966: length 1.2
  TOP w0.102: R2080.2 128.5,49.92 Q2010.1
N20782835: length 6.1
  TOP w0.102: U805.25 16,164.29 16.26,164.54 17.96,164.54 19.91,162.59 R2470.1
N20782838: length 6.5
  TOP w0.102: U805.26 15.5,164.3 16.05,164.85 18.08,164.85 19.48,163.45 R2471.1
N20957708: length 3.4
  TOP w0.102: U2009.56 133.09,32.14 R2490.1
N21554490: length 1.1
  TOP w0.254: R2514.1 20.99,114.72 U2019.4
N21554492: length 0.9
  TOP w0.254: R2514.2 C3356.2
N21554558: length 2.3
  TOP w0.254: 23.95,115.24 23.42,115.77 C3356.1 ; U2019.2 23.7,114.22
N21554606: length 2.7
  TOP w0.254: 20.75,112.9 20.73,112.88 R2517.1 ; R2518.2 R2517.1 ; R2517.1 C3359.2
N21554640: length 1
  TOP w0.254: U2019.6 20.76,113.72 R2516.1
N21574591: length 3.3
  TOP w0.081: U17.22 104.85,111.66 arc(104.77,111.67) 104.7,111.72 104.69,111.73 arc(104.62,111.77) 104.54,111.79 104.45,111.79 arc(104.21,111.85) 104.02,112.02 103.39,112.92 arc(103.31,112.99) 103.22,113.01 103.15,113.01 arc(102.99,112.98) 102.87,112.9 R2525.1
N21574603: length 3.3
  TOP w0.081: U17.21 104.85,112.16 arc(104.77,112.14) 104.7,112.09 104.69,112.08 arc(104.62,112.04) 104.54,112.02 104.45,112.02 arc(104.31,112.06) 104.21,112.15 103.58,113.06 arc(103.42,113.2) 103.22,113.25 103.15,113.25 arc(102.99,113.28) 102.86,113.37 R2526.1
N21661452: length 3.1
  TOP w0.102: R2091.1 122.22,45.62 U2009.91
N21661454: length 3
  TOP w0.102: U2009.90 122.72,45.98 R2092.1
N21672689: length 3.5
  TOP w0.102: R2529.2 R2532.2 195.97,298.14 U202.13
N21672825: length 107.5
  TOP w0.102: v1(206.07,293.65) C3369.2 205.18,293.93 204.9,293.93 204.19,294.64 203.97,294.64 203.86,294.54 U202.39
  ART14 w0.102: v1(122.05,270.97) 121.21,270.97 121.11,271.07 121.11,272.14 121.26,272.29 138.56,272.29 161.09,294.82 167.87,294.82 174.19,301.14 192.15,301.14 193.57,299.72 196.6,299.72 197.46,298.86 202.39,298.86 203.96,297.28 203.96,294.72 204.72,293.95 205.77,293.95 v1(206.07,293.65)
  BOTTOM w0.102: R2531.1 v1(122.05,270.97)
N21672932: length 107.8
  TOP w0.102: U202.40 203.89,294.94 203.98,294.84 204.27,294.84 204.94,294.18 205.18,294.18 C3369.1 v1(206.07,294.46)
  ART14 w0.102: v1(119.96,270.97) 120.8,270.97 120.9,271.07 120.9,272.22 121.18,272.49 138.47,272.49 161,295.02 167.78,295.02 174.11,301.35 192.24,301.35 193.66,299.92 196.68,299.92 197.54,299.06 202.47,299.06 204.17,297.37 204.17,294.8 204.81,294.16 205.77,294.16 v1(206.07,294.46)
  BOTTOM w0.102: R2534.1 v1(119.96,270.97)
N21672961: length 1.4
  TOP w0.254: U3262.25 92.66,300.48 C3371.1
N21673025: length 1.4
  TOP w0.254: U3262.24 93.16,300.48 C3371.2
N21673231: length 7.2
  TOP w0.102: U202.38 203.78,294.14 203.89,294.03 204.17,294.03 206.36,291.83 206.36,290.36 206.65,290.07 C3377.1 R2537.1
N21673315: length 5
  TOP w0.203: 196.08,294.54 U202.22
  TOP w0.254: R2538.1 R2539.2 C3386.2 C3385.2 195.68,294.13 196.08,294.54
N21674060: length 2.2
  TOP w0.102: R2551.2 205.47,295.34 U202.41
N21674200: length 2.3
  TOP w0.102: R2568.2 195.16,294.94 U202.21
N21674238: length 5.6
  TOP w0.102: U202.26 198.48,292.43 198.37,292.33 198.37,292.1 197,290.73 196.32,290.73 196.13,290.54 196.13,290.36 196.44,290.04 C3406.1 R2555.1
N21674327: length 3.3
  TOP w0.102: R2557.2 R2562.2 195.55,297.31 195.98,297.74 U202.14
N21674574: length 1.4
  TOP w0.254: C3412.1 102.49,140.59 U3268.25
N21674620: length 1.4
  TOP w0.254: U3268.24 101.99,140.6 C3412.2
N21678097: length 1.4
  TOP w0.254: U3263.25 102.9,300.48 C3421.1
N21678116: length 1.4
  TOP w0.254: C3421.2 103.4,300.48 U3263.24
N21679333: length 1.4
  TOP w0.254: C3434.1 113.13,300.48 U3264.25
N21679352: length 1.4
  TOP w0.254: C3434.2 113.63,300.48 U3264.24
N21680686: length 1.4
  TOP w0.254: C3447.1 123.37,300.48 U3265.25
N21680705: length 1.4
  TOP w0.254: U3265.24 123.87,300.48 C3447.2
N21683348: length 1.4
  TOP w0.254: C3464.1 133.61,300.48 U3266.25
N21683358: length 1.4
  TOP w0.254: U3267.25 143.84,300.48 C3465.1
N21683389: length 1.4
  TOP w0.254: C3464.2 134.11,300.48 U3266.24
N21683398: length 1.4
  TOP w0.254: C3465.2 144.34,300.48 U3267.24
N21689966: length 5.6
  TOP w0.102: U202.36 202.48,292.42 202.39,292.33 202.39,292.18 203.64,290.93 204.35,290.93 204.66,290.62 204.66,290.36 204.95,290.07 C3482.1 R2563.1
N21690209: length 4.9
  TOP w0.102: R2564.1 C3483.1 203.25,290.07 202.96,290.36 202.96,290.67 201.59,292.04 201.59,292.34 201.68,292.43 U202.34
N21690373: length 4.5
  TOP w0.102: U202.32 200.88,292.43 200.79,292.34 200.79,291.09 201.26,290.62 201.26,290.36 201.55,290.07 C3484.1 R2565.1
N21690544: length 4.5
  TOP w0.102: R2566.1 C3485.1 199.85,290.04 199.53,290.36 199.53,290.56 199.97,291.01 199.97,292.34 200.08,292.45 U202.30
N21690722: length 4.9
  TOP w0.102: U202.28 199.28,292.45 199.17,292.34 199.17,291.97 197.83,290.63 197.83,290.36 198.15,290.04 C3486.1 R2567.1
N21733065: length 2
  TOP w0.102: R2474.2 211.83,235.49 U807.9
N21733151: length 1.9
  TOP w0.102: U807.13 211.18,243.36 R2209.1
N21733164: length 2
  TOP w0.102: U807.12 211.83,243.14 R2306.1
N21807414: length 1.1
  TOP w0.254: U2027.4 122.72,84.45 R2579.1
N21807416: length 0.9
  TOP w0.254: R2579.2 C3507.2
N21807498: length 2.3
  TOP w0.254: U2027.2 125.43,83.95 ; C3507.1 125.15,85.5 125.68,84.96
N21807565: length 2.7
  TOP w0.254: R2584.1 C3510.2 ; R2584.1 122.45,82.6 R2583.2 ; R2584.1 R2586.2
N21807597: length 1
  TOP w0.254: U2027.6 122.49,83.45 R2583.1
N21809707: length 3
  TOP w0.102: R2588.1 119.22,46.03 U2009.97
N21809710: length 3.1
  TOP w0.102: R2587.1 118.72,45.67 U2009.98
N22234325: length 73.8
  TOP w0.099: U3241.45 31.52,152.59 31.6,152.5 34.99,152.5 v1(35.18,152.7)
  ART03 w0.107: v1(35.18,152.7) 35.28,152.59 arc(35.38,152.53) 35.49,152.51 35.57,152.51 arc(35.66,152.53) 35.74,152.58 35.75,152.59 arc(35.81,152.67) 35.82,152.76 35.82,210.86 31.25,215.43 arc(31.08,215.5) 30.91,215.43 30.83,215.36 arc(30.49,215.36) 30.49,215.7 30.56,215.78 arc(30.64,215.95) 30.56,216.12 29.96,216.72 29.5,216.72 v1(29.31,216.53)
  BOTTOM w0.099: C5919.1 29.18,216.41 v1(29.31,216.53)
N22240089: length 1.2
  TOP w0.102: U3239.1 238.53,95.51 C5859.2
N22240091: length 1.2
  TOP w0.102: U3239.10 238.53,92.71 R12559.1
N22240106: length 1.7
  TOP w0.102: R12560.2 236.82,96.84 U3239.2
N22264547: length 1.3
  TOP w0.533: R12612.1 23.84,221.19 U3243.1
N22264608: length 1.9
  TOP w0.102: R12614.2 C5926.1 28.59,219.29 U3243.4
N22264614: length 1.1
  TOP w0.102: U3243.3 24.11,219.29 R12616.1
N22267659: length 1.3
  TOP w0.533: U3256.1 23.84,203.29 R12796.1
N22267720: length 1.9
  TOP w0.102: R12798.2 C6041.1 28.59,201.39 U3256.4
N22267726: length 1.1
  TOP w0.102: R12800.1 24.11,201.39 U3256.3
N22269759: length 1.3
  TOP w0.533: R12613.1 23.84,225.49 U3244.1
N22269806: length 1.9
  TOP w0.102: R12615.2 C5931.1 28.59,223.59 U3244.4
N22269812: length 1.1
  TOP w0.102: R12617.1 24.11,223.59 U3244.3
N22270395: length 1.3
  TOP w0.533: R12797.1 23.84,207.58 U3257.1
N22270442: length 1.9
  TOP w0.102: R12799.2 C6045.1 28.59,205.68 U3257.4
N22270448: length 1.1
  TOP w0.102: R12801.1 24.11,205.68 U3257.3
N22271363: length 1.9
  TOP w0.114: C5914.2 21.47,151.31 22.43,151.31 22.51,151.39 U3241.10
N22271367: length 1.9
  TOP w0.114: U3241.11 22.51,150.99 22.43,151.07 21.48,151.07 C5911.2
N22271436: length 1.9
  TOP w0.114: U3241.7 22.51,152.59 22.43,152.51 21.49,152.51 C5909.1
N22271461: length 1.9
  TOP w0.114: U3241.8 22.51,152.19 22.43,152.27 21.47,152.27 C5913.1
N22271543: length 2
  TOP w0.102: R12584.2 22.17,154.59 U3241.2
N22280268: length 2.8
  TOP w0.102: R12539.2 55.6,46.41 J2036.A11
N22281151: length 2.4
  TOP w0.152: C5800.1 60.8,36.92 J2036.B14
N22281185: length 2.4
  TOP w0.152: J2036.B15 61.41,36.92 C5801.1
N22307111: length 1.1
  TOP w0.254: U3234.4 223.33,143.54 R12484.1
N22307113: length 0.9
  TOP w0.254: R12484.2 C5665.2
N22307187: length 2.3
  TOP w0.254: C5665.1 220.9,142.49 220.37,143.03 ; U3234.2 220.62,144.04
N22307251: length 2.7
  TOP w0.254: R12487.2 223.6,145.39 R12488.1 ; R12488.1 R12490.2 ; R12488.1 C5668.2
N22307283: length 1
  TOP w0.254: R12487.1 223.56,144.54 U3234.6
N22375085: length 2.5
  TOP w0.254: 177.52,70.65 177.58,70.71 U3251.19
  TOP w0.381: 177.52,70.65 177.52,70.31 177.42,70.21 177.42,68.68
N22375089: length 0.9
  TOP w0.254: 176.17,68.68 C5981.2 176.61,69.11
N22375306: length 4.3
  TOP w0.254: R12663.1 180.82,67.79 R12666.1 R12665.2 181.69,69.19 181.38,69.49 180.81,69.49 180.55,69.75 U3251.6
N22375312: length 0.9
  TOP w0.254: R12663.2 C5986.1
N22375431: length 3
  TOP w0.102: R12664.2 C5993.1 177.58,75.03 U3251.16
N22375483: length 3
  TOP w0.254: U3251.3 179.05,69.45 178.31,68.71 178.31,68.05 R12667.2
N22375487: length 2.9
  TOP w0.254: R12669.2 177.95,68.05 177.95,68.86 178.55,69.46 U3251.2
N22375489: length 1.9
  TOP w0.254: C5992.1 179.98,68.88 179.55,69.32 U3251.4
N22383133: length 1
  TOP w0.102: R2199.1 223.53,228.97 U2004.6
N22383241: length 1.4
  TOP w0.102: U2005.6 223.91,234.2 R2200.1
N22384545: length 1.1
  TOP w0.254: R12670.1 212.03,75.18 U3252.4
N22384547: length 0.9
  TOP w0.254: R12670.2 C5996.2
N22384621: length 2.3
  TOP w0.254: C5996.1 213.08,72.75 212.55,72.21 ; U3252.2 211.53,72.47
N22384685: length 2.7
  TOP w0.254: R12674.1 R12676.2 ; R12674.1 C5999.2 ; R12674.1 210.19,75.44 R12673.2
N22384717: length 1
  TOP w0.254: U3252.6 211.03,75.4 R12673.1
N22385701: length 3.5
  TOP w0.102: U2009.66 132.82,37.14 R12678.1
N22449644: length 2.6
  TOP w0.102: R12697.1 C6002.2 113.08,69.35 U3253.24
N22454720: length 1.6
  TOP w0.102: R12696.2 113.58,69.71 U3253.23
N22455181: length 2
  TOP w0.102: U3253.18 116.9,67.59 R12695.2
N22456494: length 1.7
  TOP w0.102: U3253.4 111.03,66.09 R12702.1
N22456495: length 1.8
  TOP w0.102: U3253.5 111.39,65.59 R12705.1
N22456496: length 2
  TOP w0.102: R12710.1 116.9,65.09 U3253.13
N22456497: length 1.8
  TOP w0.102: R12708.1 115.08,63.41 U3253.11
N22456498: length 1.7
  TOP w0.102: U3253.16 117.62,66.59 R12715.1
N22456499: length 1.7
  TOP w0.102: U3253.8 113.58,63.18 R12706.1
N22456500: length 1.8
  TOP w0.102: U3253.14 117.26,65.59 R12713.1
N22456501: length 1.7
  TOP w0.102: R12703.1 111.03,66.59 U3253.3
N22456502: length 1.8
  TOP w0.102: R12700.1 111.39,67.09 U3253.2
N22456503: length 2
  TOP w0.102: R12704.1 111.75,65.09 U3253.6
N22456504: length 2.7
  TOP w0.102: U3253.12 116.68,64.44 R12711.1
N22456505: length 1.7
  TOP w0.102: R12709.1 114.58,63.05 U3253.10
N22456506: length 1.6
  TOP w0.102: U3253.7 113.08,62.91 R12707.1
N22456507: length 1.8
  TOP w0.102: R12714.1 117.26,67.09 U3253.17
N22456508: length 1.7
  TOP w0.102: U3253.15 117.62,66.09 R12712.1
N22456509: length 2
  TOP w0.102: U3253.1 111.75,67.59 R12701.1
N22467259: length 42.2
  TOP w0.099: v1(24.92,160.93) 25.11,160.74 25.11,156.37 25.03,156.28 U3241.65
  ART03 w0.107: v1(24.92,160.93) 25.02,161.04 arc(25.09,161.13) 25.11,161.24 25.11,161.34 arc(25.15,161.54) 25.26,161.71 27.73,164.17 arc(29.55,166.91) 30.2,170.14 30.2,176.75 28.65,178.3 28.65,190.12 29.05,190.51 arc(29.1,190.63) 29.05,190.75 arc(29,190.87) 29.05,190.99 29.15,191.1 arc(29.27,191.15) 29.39,191.1 arc(29.51,191.05) 29.63,191.1 30.2,191.66 30.2,192.64 30.02,192.82 29.5,192.82 v1(29.31,192.63)
  BOTTOM w0.099: v1(29.31,192.63) 29.18,192.51 C6004.2
N22467260: length 42.2
  TOP w0.099: v1(25.53,160.93) 25.34,160.74 25.34,156.37 25.43,156.28 U3241.64
  ART03 w0.107: v1(25.53,160.93) 25.43,161.04 arc(25.36,161.13) 25.34,161.24 25.34,161.34 arc(25.37,161.45) 25.43,161.55 27.89,164.01 arc(29.77,166.82) 30.43,170.14 30.43,176.85 28.88,178.39 28.88,190.02 30.43,191.57 30.43,192.74 30.11,193.06 29.5,193.06 v1(29.31,193.24)
  BOTTOM w0.099: C6003.2 29.18,193.37 v1(29.31,193.24)
N22467296: length 43.8
  TOP w0.099: v1(29.13,160.55) 28.94,160.36 28.94,156.37 29.03,156.28 U3241.55 ; C6005.2 22.38,193.37 v1(22.5,193.24)
  ART14 w0.107: v1(22.5,193.24) 22.61,193.14 arc(22.7,193.08) 22.81,193.06 22.99,193.06 arc(23.19,193.01) 23.37,192.9 24.63,191.63 arc(24.73,191.57) 24.85,191.54 26.89,191.54 arc(27.67,191.39) 28.33,190.95 28.35,190.93 arc(28.79,190.27) 28.94,189.49 28.94,179.29 arc(29.12,178.41) 29.62,177.66 29.69,177.59 arc(30.24,176.77) 30.43,175.8 30.43,163.79 arc(30.24,162.82) 29.69,161.99 29.03,161.34 arc(28.97,161.24) 28.94,161.13 28.94,160.86 arc(28.96,160.75) 29.03,160.65 v1(29.13,160.55)
N22467306: length 43.8
  TOP w0.099: C6006.2 22.38,192.51 v1(22.5,192.63) ; v1(28.52,160.55) 28.71,160.36 28.71,156.37 28.63,156.28 U3241.56
  ART14 w0.107: v1(28.52,160.55) 28.62,160.65 arc(28.69,160.75) 28.71,160.86 28.71,161.13 arc(28.75,161.33) 28.86,161.5 29.52,162.16 arc(30.02,162.91) 30.2,163.79 30.2,175.8 arc(30.02,176.68) 29.52,177.43 29.45,177.5 arc(28.9,178.32) 28.71,179.29 28.71,189.49 arc(28.57,190.18) 28.18,190.77 28.16,190.78 arc(27.58,191.17) 26.89,191.31 24.85,191.31 arc(24.64,191.35) 24.47,191.47 24.17,191.77 arc(24.05,191.82) 23.93,191.77 arc(23.81,191.72) 23.69,191.77 23.58,191.87 arc(23.53,191.99) 23.58,192.11 arc(23.63,192.23) 23.58,192.35 23.25,192.68 arc(23.1,192.78) 22.91,192.82 22.81,192.82 arc(22.7,192.8) 22.61,192.73 v1(22.5,192.63)
N22467336: length 63.6
  TOP w0.099: U3241.47 31.52,153.39 31.6,153.48 32.52,153.48 v1(32.72,153.29)
  ART03 w0.107: v1(29.31,211.15) 29.5,210.96 30.11,210.96 33.92,207.15 33.92,157.57 arc(33.82,157.04) 33.52,156.6 33.45,156.53 arc(33.21,156.16) 33.12,155.72 33.12,154.84 arc(33.16,154.66) 33.26,154.51 33.38,154.39 arc(33.49,154.22) 33.53,154.02 33.53,153.92 arc(33.5,153.76) 33.41,153.62 33.39,153.6 arc(33.25,153.51) 33.09,153.47 32.9,153.47 v1(32.72,153.29)
  BOTTOM w0.099: C6007.2 29.18,211.28 v1(29.31,211.15)
N22467346: length 63.6
  TOP w0.099: v1(32.72,153.9) 32.52,153.7 31.6,153.7 31.52,153.79 U3241.48
  ART03 w0.107: v1(29.31,210.54) 29.5,210.73 30.02,210.73 30.62,210.13 arc(30.69,209.95) 30.62,209.78 30.54,209.71 arc(30.54,209.36) 30.89,209.36 30.96,209.44 arc(31.14,209.51) 31.31,209.44 33.69,207.05 33.69,157.57 arc(33.6,157.13) 33.36,156.76 33.29,156.69 arc(32.99,156.25) 32.89,155.72 32.89,154.84 arc(32.94,154.57) 33.09,154.35 33.2,154.24 arc(33.27,154.13) 33.3,154 33.3,153.92 arc(33.28,153.85) 33.24,153.78 33.22,153.76 arc(33.16,153.72) 33.09,153.71 33.02,153.71 arc(32.91,153.73) 32.82,153.79 v1(32.72,153.9)
  BOTTOM w0.099: v1(29.31,210.54) 29.18,210.41 C6008.2
N22467376: length 73.1
  TOP w0.099: U3241.38 31.52,149.79 31.6,149.88 32.52,149.88 v1(32.72,149.69) ; C6009.2 22.38,211.28 v1(22.5,211.15)
  ART14 w0.107: v1(22.5,211.15) 22.61,211.05 arc(22.7,210.98) 22.81,210.96 22.99,210.96 arc(23.19,210.92) 23.37,210.81 24.55,209.62 arc(24.73,209.5) 24.93,209.46 30.33,209.46 33.92,205.87 33.92,150.53 arc(33.73,150.07) 33.26,149.87 33.03,149.87 arc(32.91,149.85) 32.82,149.79 v1(32.72,149.69)
N22467386: length 73.1
  TOP w0.099: C6010.2 22.38,210.41 v1(22.5,210.54) ; v1(32.72,150.3) 32.52,150.1 31.6,150.1 31.52,150.19 U3241.39
  ART14 w0.107: v1(32.72,150.3) 32.82,150.19 arc(32.91,150.13) 33.03,150.11 33.26,150.11 arc(33.57,150.23) 33.69,150.53 33.69,205.77 30.23,209.23 24.93,209.23 arc(24.64,209.29) 24.39,209.45 24.39,209.45 24.2,209.64 arc(24.03,209.71) 23.86,209.64 23.78,209.57 arc(23.44,209.57) 23.44,209.91 23.51,209.99 arc(23.58,210.16) 23.51,210.33 23.25,210.59 arc(23.1,210.69) 22.91,210.73 22.81,210.73 arc(22.7,210.71) 22.61,210.64 v1(22.5,210.54)
N22469514: length 1.2
  TOP w0.102: C6011.2 228.35,95.51 U3254.1
